# KiCad board ddr5-testboard.kicad_pcb (continued)
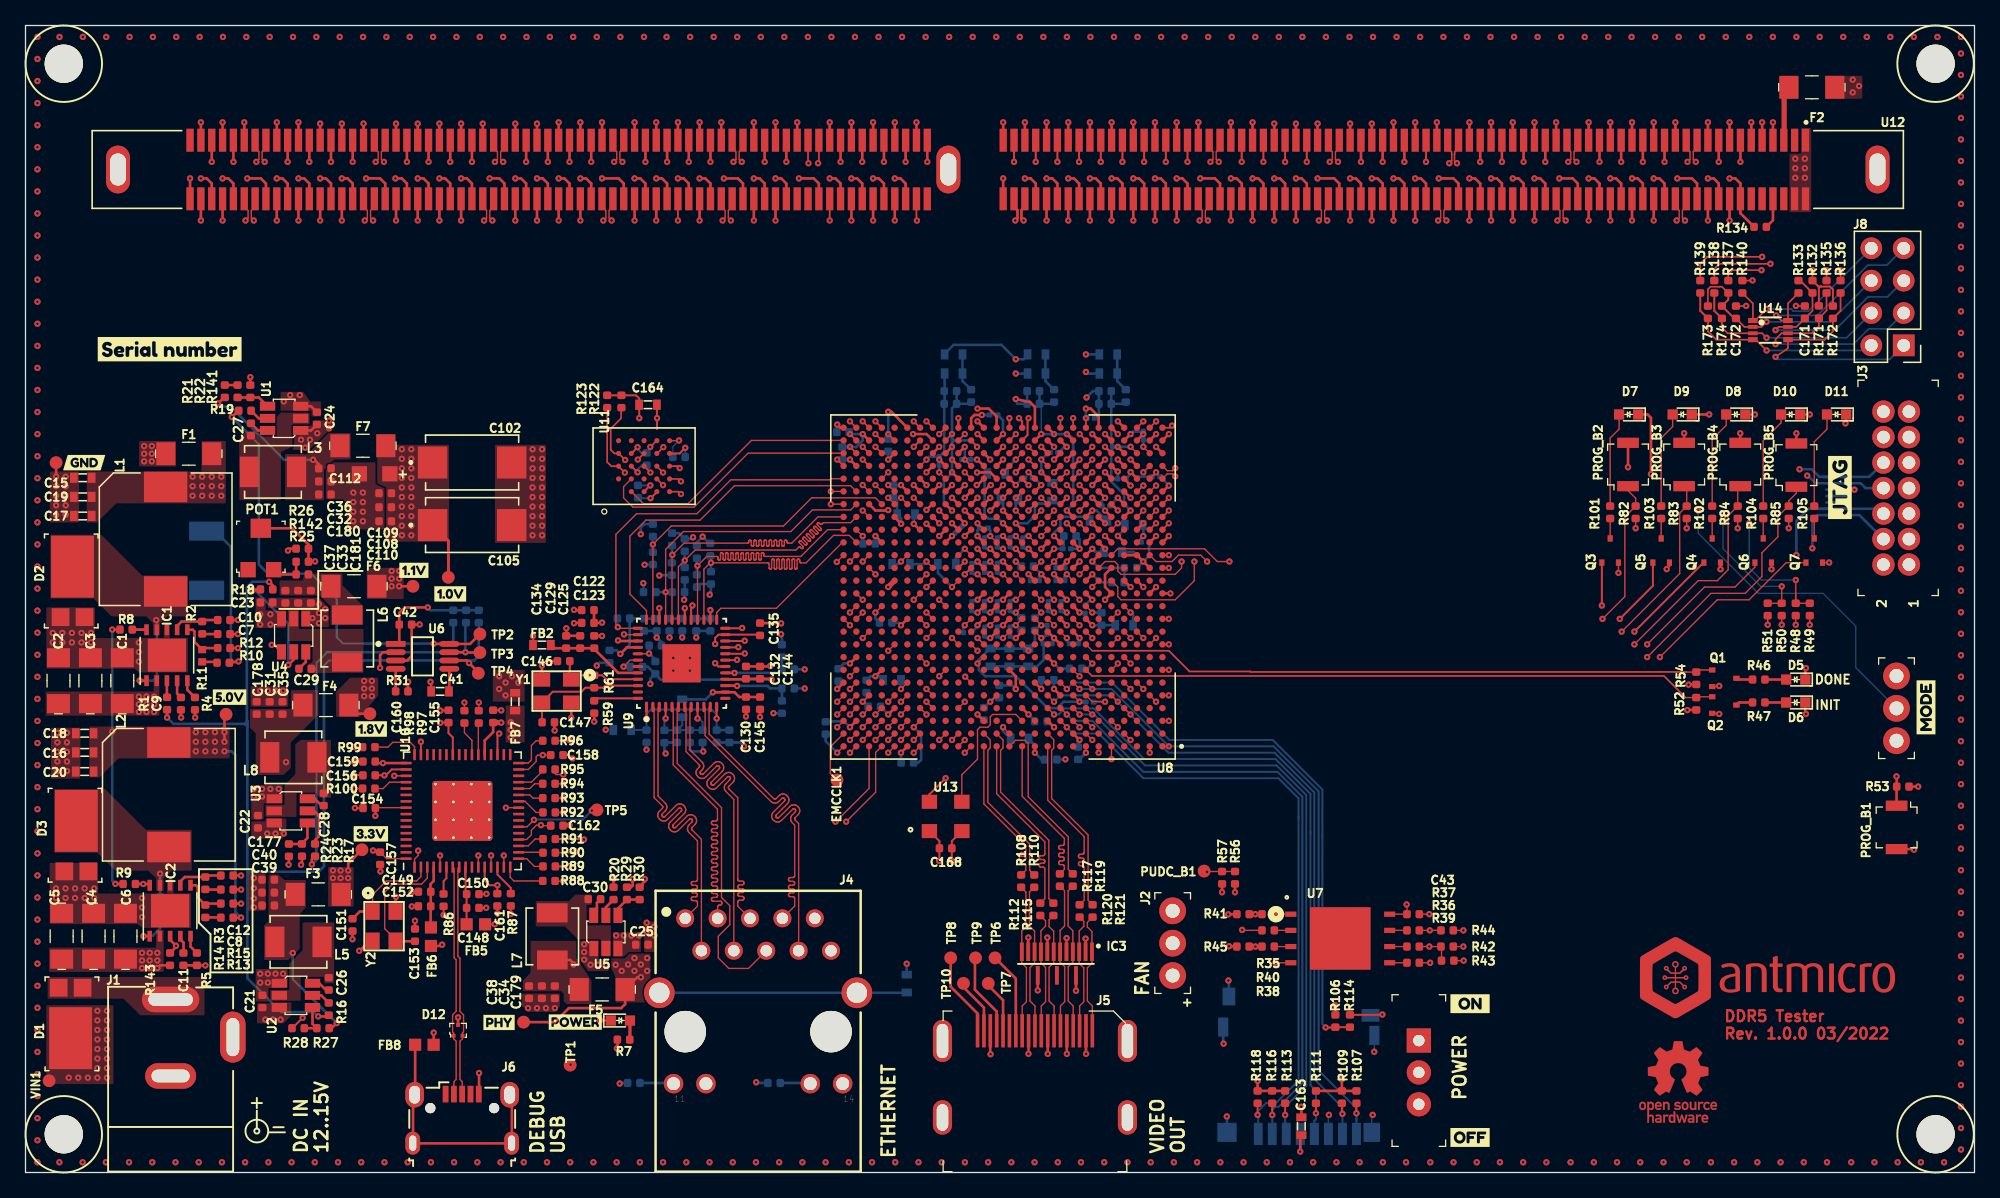
[diagram p0: board, top side]
## Routing (per net, layer and track width the routed paths; a pad name or vN(x,y) marks a point on that pad's centre or on a via; arc(x,y) is an arc through that point) (continued)
  Top w0.1: R110.2 78.71,22.01 78.71,19.34 79.11,18.94 IC3.10 79.11,16.44 78.75,16.08 78.75,13.46 79.14,13.07 J5.10
C_TMDS_D0_N: length 9.7
  Top w0.1: R112.2 79.97,19.75 79.97,19.33 79.61,18.97 IC3.9 79.61,16.45 79.97,16.09 79.97,13.4 79.64,13.07 J5.9
C_TMDS_D0_P: length 9.6
  Top w0.1: R115.2 80.25,19.83 80.25,19.3 80.61,18.93 IC3.7 80.61,16.46 80.25,16.1 80.25,13.46 80.64,13.07 J5.7
C_TMDS_D1_N: length 11.9
  Top w0.1: J5.6 81.14,13.07 81.47,13.4 81.47,16.15 81.11,16.52 IC3.6 81.11,18.99 81.46,19.34 81.46,22.1 R117.2
C_TMDS_D1_P: length 12
  Top w0.1: J5.4 82.14,13.07 81.75,13.46 81.75,16.14 82.11,16.5 IC3.4 82.11,18.97 81.74,19.35 81.74,22.1 R119.2
C_TMDS_D2_N: length 9.5
  Top w0.1: R120.2 82.97,19.71 82.97,19.32 82.61,18.96 IC3.3 82.61,16.41 82.97,16.05 82.97,13.4 82.64,13.07 J5.3
C_TMDS_D2_P: length 9.5
  Top w0.1: R121.2 83.25,19.63 83.25,19.27 83.61,18.9 IC3.1 83.61,16.42 83.25,16.06 83.25,13.46 83.64,13.07 J5.1
CA0_A: length 41.3
  Top w0.13: U8.V7 v1(82.64,50.94)
  Top w0.15: U12.66 v1(84.3,79.3)
  In9.Cu w0.13: v1(84.3,79.3) 84.3,78.8 84.3,78.77 84.29,78.74 84.27,78.72 84.25,78.7 84.23,78.68 84.2,78.67 84.17,78.67 84.08,78.67 84.05,78.67 84.02,78.66 84,78.64 83.98,78.62 83.96,78.6 83.95,78.57 83.95,78.54 83.95,78.51 83.96,78.48 83.98,78.46 84,78.44 84.02,78.42 84.05,78.41 84.08,78.41 84.52,78.41 84.55,78.41 84.58,78.4 84.6,78.38 84.62,78.36 84.64,78.34 84.65,78.31 84.65,78.28 84.65,78.25 84.64,78.22 84.62,78.2 84.6,78.18 84.58,78.16 84.55,78.15 84.52,78.15 84.08,78.15 84.05,78.15 84.02,78.14 84,78.12 83.98,78.1 83.96,78.08 83.95,78.05 83.95,78.02 83.95,77.99 83.96,77.96 83.98,77.94 84,77.92 84.02,77.9 84.05,77.89 84.08,77.89 84.52,77.89 84.55,77.89 84.58,77.88 84.6,77.86 84.62,77.84 84.64,77.82 84.65,77.79 84.65,77.76 84.65,77.73 84.64,77.7 84.62,77.68 84.6,77.66 84.58,77.64 84.55,77.63 84.52,77.63 84.08,77.63 84.05,77.63 84.02,77.62 84,77.6 83.98,77.58 83.96,77.56 83.95,77.53 83.95,77.5 83.95,77.47 83.96,77.44 83.98,77.42 84,77.4 84.02,77.38 84.05,77.37 84.08,77.37 84.52,77.37 84.55,77.37 84.58,77.36 84.6,77.34 84.62,77.32 84.64,77.3 84.65,77.27 84.65,77.24 84.65,77.21 84.64,77.18 84.62,77.16 84.6,77.14 84.58,77.12 84.55,77.11 84.52,77.11 84.08,77.11 84.05,77.11 84.02,77.1 84,77.08 83.98,77.06 83.96,77.04 83.95,77.01 83.95,76.98 83.95,76.95 83.96,76.92 83.98,76.9 84,76.88 84.02,76.86 84.05,76.85 84.08,76.85 84.52,76.85 84.55,76.85 84.58,76.84 84.6,76.82 84.62,76.8 84.64,76.78 84.65,76.75 84.65,76.72 84.65,76.69 84.64,76.66 84.62,76.64 84.6,76.62 84.58,76.6 84.55,76.59 84.52,76.59 84.08,76.59 84.05,76.59 84.02,76.58 84,76.56 83.98,76.54 83.96,76.52 83.95,76.49 83.95,76.46 83.95,76.43 83.96,76.4 83.98,76.38 84,76.36 84.02,76.34 84.05,76.33 84.08,76.33 84.52,76.33 84.55,76.33 84.58,76.32 84.6,76.3 84.62,76.28 84.64,76.26 84.65,76.23 84.65,76.2 84.65,76.17 84.64,76.14 84.62,76.12 84.6,76.1 84.58,76.08 84.55,76.07 84.52,76.07 84.08,76.07 84.05,76.07 84.02,76.06 84,76.04 83.98,76.02 83.96,76 83.95,75.97 83.95,75.94 83.95,75.91 83.96,75.88 83.98,75.86 84,75.84 84.02,75.82 84.05,75.81 84.08,75.81 84.52,75.81 84.55,75.81 84.58,75.8 84.6,75.78 84.62,75.76 84.64,75.74 84.65,75.71 84.65,75.68 84.65,75.65 84.64,75.62 84.62,75.6 84.6,75.58 84.58,75.56 84.55,75.55 84.52,75.55 84.08,75.55 84.05,75.55 84.02,75.54 84,75.52 83.98,75.5 83.96,75.48 83.95,75.45 83.95,75.42 83.95,75.39 83.96,75.36 83.98,75.34 84,75.32 84.02,75.3 84.05,75.29 84.08,75.29 84.52,75.29 84.55,75.29 84.58,75.28 84.6,75.26 84.62,75.24 84.64,75.22 84.65,75.19 84.65,75.16 84.65,75.13 84.64,75.1 84.62,75.08 84.6,75.06 84.58,75.04 84.55,75.03 84.52,75.03 84.08,75.03 84.05,75.03 84.02,75.02 84,75 83.98,74.98 83.96,74.96 83.95,74.93 83.95,74.9 83.95,74.87 83.96,74.84 83.98,74.82 84,74.8 84.02,74.78 84.05,74.77 84.08,74.77 84.52,74.77 84.55,74.77 84.58,74.76 84.6,74.74 84.62,74.72 84.64,74.7 84.65,74.67 84.65,74.64 84.65,74.61 84.64,74.58 84.62,74.56 84.6,74.54 84.58,74.52 84.55,74.51 84.52,74.51 84.43,74.51 84.4,74.51 84.37,74.5 84.35,74.48 84.33,74.46 84.31,74.44 84.3,74.41 84.3,74.38 84.3,58.6 84.14,58.44 84.14,51.44 83.64,50.94 v1(82.64,50.94)
CA0_B: length 41.4
  Top w0.13: U8.AF8 v4(82.14,59.19)
  Top w0.2: U12.76 v4(70.7,79.3)
  In2.Cu w0.127: v4(82.14,59.19) 82.14,67.61 76.06,73.69 73.2,73.69 73.17,73.69 73.14,73.7 73.12,73.72 73.1,73.74 73.08,73.76 73.07,73.79 73.07,73.82 73.07,73.87 73.07,73.9 73.06,73.92 73.04,73.95 73.02,73.97 73,73.98 72.97,73.99 72.94,74 72.92,73.99 72.89,73.98 72.86,73.97 72.84,73.95 72.83,73.92 72.82,73.9 72.82,73.87 72.82,73.82 72.81,73.79 72.8,73.76 72.79,73.74 72.77,73.72 72.75,73.7 72.72,73.69 72.69,73.69 71.39,73.69 70.7,74.38 70.7,74.58 70.7,74.61 70.71,74.64 70.73,74.66 70.75,74.68 70.77,74.7 70.8,74.71 70.83,74.71 70.97,74.71 71,74.71 71.03,74.72 71.05,74.74 71.07,74.76 71.09,74.78 71.1,74.81 71.1,74.84 71.1,74.86 71.09,74.89 71.07,74.92 71.05,74.94 71.03,74.95 71,74.96 70.97,74.96 70.43,74.96 70.4,74.97 70.37,74.98 70.35,74.99 70.33,75.01 70.31,75.03 70.3,75.06 70.3,75.09 70.3,75.12 70.31,75.15 70.33,75.17 70.35,75.19 70.37,75.2 70.4,75.21 70.43,75.22 70.97,75.22 71,75.22 71.03,75.23 71.05,75.24 71.07,75.26 71.09,75.29 71.1,75.32 71.1,75.34 71.1,75.37 71.09,75.4 71.07,75.42 71.05,75.44 71.03,75.46 71,75.47 70.97,75.47 70.43,75.47 70.4,75.47 70.37,75.48 70.35,75.5 70.33,75.52 70.31,75.54 70.3,75.57 70.3,75.6 70.3,75.63 70.31,75.65 70.33,75.68 70.35,75.7 70.37,75.71 70.4,75.72 70.43,75.72 70.97,75.72 71,75.73 71.03,75.74 71.05,75.75 71.07,75.77 71.09,75.8 71.1,75.82 71.1,75.85 71.1,75.88 71.09,75.91 71.07,75.93 71.05,75.95 71.03,75.97 71,75.98 70.97,75.98 70.43,75.98 70.4,75.98 70.37,75.99 70.35,76.01 70.33,76.03 70.31,76.05 70.3,76.08 70.3,76.11 70.3,76.13 70.31,76.16 70.33,76.19 70.35,76.21 70.37,76.22 70.4,76.23 70.43,76.23 70.97,76.23 71,76.24 71.03,76.25 71.05,76.26 71.07,76.28 71.09,76.3 71.1,76.33 71.1,76.36 71.1,76.39 71.09,76.42 71.07,76.44 71.05,76.46 71.03,76.47 71,76.48 70.97,76.49 70.43,76.49 70.4,76.49 70.37,76.5 70.35,76.51 70.33,76.53 70.31,76.56 70.3,76.59 70.3,76.61 70.3,76.64 70.31,76.67 70.33,76.69 70.35,76.71 70.37,76.73 70.4,76.74 70.43,76.74 70.97,76.74 71,76.74 71.03,76.75 71.05,76.77 71.07,76.79 71.09,76.81 71.1,76.84 71.1,76.87 71.1,76.9 71.09,76.92 71.07,76.95 71.05,76.97 71.03,76.98 71,76.99 70.97,77 70.43,77 70.4,77 70.37,77.01 70.35,77.02 70.33,77.04 70.31,77.07 70.3,77.09 70.3,77.12 70.3,77.15 70.31,77.18 70.33,77.2 70.35,77.22 70.37,77.24 70.4,77.25 70.43,77.25 70.97,77.25 71,77.25 71.03,77.26 71.05,77.28 71.07,77.3 71.09,77.32 71.1,77.35 71.1,77.38 71.1,77.4 71.09,77.43 71.07,77.46 71.05,77.48 71.03,77.49 71,77.5 70.97,77.5 70.43,77.5 70.4,77.51 70.37,77.52 70.35,77.53 70.33,77.55 70.31,77.57 70.3,77.6 70.3,77.63 70.3,77.66 70.31,77.69 70.33,77.71 70.35,77.73 70.37,77.74 70.4,77.75 70.43,77.76 70.97,77.76 71,77.76 71.03,77.77 71.05,77.78 71.07,77.8 71.09,77.83 71.1,77.86 71.1,77.88 71.1,77.91 71.09,77.94 71.07,77.96 71.05,77.98 71.03,78 71,78.01 70.97,78.01 70.43,78.01 70.4,78.01 70.37,78.02 70.35,78.04 70.33,78.06 70.31,78.08 70.3,78.11 70.3,78.14 70.3,78.17 70.31,78.19 70.33,78.22 70.35,78.24 70.37,78.25 70.4,78.26 70.43,78.27 70.97,78.27 71,78.27 71.03,78.28 71.05,78.29 71.07,78.31 71.09,78.34 71.1,78.36 71.1,78.39 71.1,78.42 71.09,78.45 71.07,78.47 71.05,78.49 71.03,78.51 71,78.52 70.97,78.52 70.43,78.52 70.4,78.52 70.37,78.53 70.35,78.55 70.33,78.57 70.31,78.59 70.3,78.62 70.3,78.65 70.3,78.67 70.31,78.7 70.33,78.73 70.35,78.75 70.37,78.76 70.4,78.77 70.43,78.77 70.57,78.77 70.6,78.78 70.63,78.79 70.65,78.8 70.67,78.82 70.69,78.84 70.7,78.87 70.7,78.9 v4(70.7,79.3)
CA1_A: length 41.4
  Top w0.13: U8.Y7 v1(82.64,51.94)
  Top w0.2: U12.211 v1(83.45,74.7)
  In7.Cu w0.13: v1(83.45,74.7) 83.64,74.51 83.64,74.34 83.63,74.31 83.62,74.28 83.61,74.26 83.59,74.23 83.56,74.22 83.54,74.21 83.51,74.21 83.37,74.21 83.34,74.2 83.31,74.19 83.29,74.18 83.26,74.16 83.25,74.13 83.24,74.11 83.24,74.08 83.24,74.05 83.25,74.02 83.26,74 83.29,73.97 83.31,73.96 83.34,73.95 83.37,73.95 83.91,73.95 83.94,73.94 83.96,73.93 83.99,73.92 84.01,73.9 84.02,73.87 84.03,73.85 84.04,73.82 84.03,73.79 84.02,73.76 84.01,73.74 83.99,73.71 83.96,73.7 83.94,73.69 83.91,73.69 83.37,73.69 83.34,73.68 83.31,73.67 83.29,73.66 83.26,73.64 83.25,73.61 83.24,73.59 83.24,73.56 83.24,73.53 83.25,73.5 83.26,73.48 83.29,73.45 83.31,73.44 83.34,73.43 83.37,73.43 83.91,73.43 83.94,73.42 83.96,73.41 83.99,73.4 84.01,73.38 84.02,73.35 84.03,73.33 84.04,73.3 84.03,73.27 84.02,73.24 84.01,73.22 83.99,73.19 83.96,73.18 83.94,73.17 83.91,73.17 83.37,73.17 83.34,73.16 83.31,73.15 83.29,73.14 83.26,73.12 83.25,73.09 83.24,73.07 83.24,73.04 83.24,73.01 83.25,72.98 83.26,72.96 83.29,72.93 83.31,72.92 83.34,72.91 83.37,72.91 83.91,72.91 83.94,72.9 83.96,72.89 83.99,72.88 84.01,72.86 84.02,72.83 84.03,72.81 84.04,72.78 84.03,72.75 84.02,72.72 84.01,72.7 83.99,72.67 83.96,72.66 83.94,72.65 83.91,72.65 83.37,72.65 83.34,72.64 83.31,72.63 83.29,72.62 83.26,72.6 83.25,72.57 83.24,72.55 83.24,72.52 83.24,72.49 83.25,72.46 83.26,72.44 83.29,72.41 83.31,72.4 83.34,72.39 83.37,72.39 83.91,72.39 83.94,72.38 83.96,72.37 83.99,72.36 84.01,72.34 84.02,72.31 84.03,72.29 84.04,72.26 84.03,72.23 84.02,72.2 84.01,72.18 83.99,72.15 83.96,72.14 83.94,72.13 83.91,72.13 83.37,72.13 83.34,72.12 83.31,72.11 83.29,72.1 83.26,72.08 83.25,72.05 83.24,72.03 83.24,72 83.24,71.97 83.25,71.94 83.26,71.92 83.29,71.89 83.31,71.88 83.34,71.87 83.37,71.87 83.91,71.87 83.94,71.86 83.96,71.85 83.99,71.84 84.01,71.82 84.02,71.79 84.03,71.77 84.04,71.74 84.03,71.71 84.02,71.68 84.01,71.66 83.99,71.63 83.96,71.62 83.94,71.61 83.91,71.61 83.37,71.61 83.34,71.6 83.31,71.59 83.29,71.58 83.26,71.56 83.25,71.53 83.24,71.51 83.24,71.48 83.24,71.45 83.25,71.42 83.26,71.4 83.29,71.37 83.31,71.36 83.34,71.35 83.37,71.35 83.91,71.35 83.94,71.34 83.96,71.33 83.99,71.32 84.01,71.3 84.02,71.27 84.03,71.25 84.04,71.22 84.03,71.19 84.02,71.16 84.01,71.14 83.99,71.11 83.96,71.1 83.94,71.09 83.91,71.09 83.37,71.09 83.34,71.08 83.31,71.07 83.29,71.06 83.26,71.04 83.25,71.01 83.24,70.99 83.24,70.96 83.24,70.93 83.25,70.9 83.26,70.88 83.29,70.85 83.31,70.84 83.34,70.83 83.37,70.83 83.91,70.83 83.94,70.82 83.96,70.81 83.99,70.8 84.01,70.78 84.02,70.75 84.03,70.73 84.04,70.7 84.03,70.67 84.02,70.64 84.01,70.62 83.99,70.59 83.96,70.58 83.94,70.57 83.91,70.57 83.37,70.57 83.34,70.56 83.31,70.55 83.29,70.54 83.26,70.52 83.25,70.49 83.24,70.47 83.24,70.44 83.24,70.41 83.25,70.38 83.26,70.36 83.29,70.33 83.31,70.32 83.34,70.31 83.37,70.31 83.91,70.31 83.94,70.3 83.96,70.29 83.99,70.28 84.01,70.26 84.02,70.23 84.03,70.21 84.04,70.18 84.03,70.15 84.02,70.12 84.01,70.1 83.99,70.07 83.96,70.06 83.94,70.05 83.91,70.05 83.37,70.05 83.34,70.04 83.31,70.03 83.29,70.02 83.26,70 83.25,69.97 83.24,69.95 83.24,69.92 83.24,69.89 83.25,69.86 83.26,69.84 83.29,69.81 83.31,69.8 83.34,69.79 83.37,69.79 83.91,69.79 83.94,69.78 83.96,69.77 83.99,69.76 84.01,69.74 84.02,69.71 84.03,69.69 84.04,69.66 84.03,69.63 84.02,69.6 84.01,69.58 83.99,69.55 83.96,69.54 83.94,69.53 83.91,69.53 83.37,69.53 83.34,69.52 83.31,69.51 83.29,69.5 83.26,69.48 83.25,69.45 83.24,69.43 83.24,69.4 83.24,69.37 83.25,69.34 83.26,69.32 83.29,69.29 83.31,69.28 83.34,69.27 83.37,69.27 83.91,69.27 83.94,69.26 83.96,69.25 83.99,69.24 84.01,69.22 84.02,69.19 84.03,69.17 84.04,69.14 84.03,69.11 84.02,69.08 84.01,69.06 83.99,69.03 83.96,69.02 83.94,69.01 83.91,69.01 83.37,69.01 83.34,69 83.31,68.99 83.29,68.98 83.26,68.96 83.25,68.93 83.24,68.91 83.24,68.88 83.24,68.85 83.25,68.82 83.26,68.8 83.29,68.77 83.31,68.76 83.34,68.75 83.37,68.75 83.91,68.75 83.94,68.74 83.96,68.73 83.99,68.72 84.01,68.7 84.02,68.67 84.03,68.65 84.04,68.62 84.03,68.59 84.02,68.56 84.01,68.54 83.99,68.51 83.96,68.5 83.94,68.49 83.91,68.49 83.37,68.49 83.34,68.48 83.31,68.47 83.29,68.46 83.26,68.44 83.25,68.41 83.24,68.39 83.24,68.36 83.24,68.33 83.25,68.3 83.26,68.28 83.29,68.25 83.31,68.24 83.34,68.23 83.37,68.23 83.51,68.23 83.54,68.22 83.56,68.21 83.59,68.2 83.61,68.18 83.62,68.15 83.63,68.13 83.64,68.1 83.64,59.19 83.14,58.69 U8.Y7 v1(82.64,51.94)
CA1_B: length 41.4
  Top w0.13: v4(69.89,74.69) 69.85,74.73 U12.221
  Top w0.2: U8.AE8 v4(81.64,57.94)
  In2.Cu w0.127: v4(81.64,57.94) 81.64,67.36 79.15,69.85 79.14,69.87 79.12,69.89 79.12,69.92 79.12,69.95 79.12,69.98 79.14,70 79.15,70.03 79.18,70.05 79.2,70.08 79.21,70.1 79.22,70.13 79.22,70.16 79.21,70.19 79.2,70.21 79.18,70.23 79.16,70.25 79.13,70.26 79.1,70.27 79.08,70.27 79.05,70.26 79.02,70.25 79,70.23 78.77,70 78.74,69.98 78.72,69.97 78.69,69.96 78.66,69.96 78.64,69.97 78.61,69.98 78.59,70 78.57,70.02 78.56,70.05 78.55,70.07 78.55,70.1 78.56,70.13 78.57,70.16 78.59,70.18 78.82,70.41 78.84,70.43 78.85,70.46 78.86,70.49 78.86,70.52 78.85,70.54 78.84,70.57 78.82,70.59 78.8,70.61 78.77,70.62 78.75,70.63 78.72,70.63 78.69,70.62 78.66,70.61 78.64,70.59 78.41,70.36 78.39,70.34 78.36,70.33 78.33,70.32 78.3,70.32 78.28,70.33 78.25,70.34 78.23,70.36 78.21,70.38 78.2,70.41 78.19,70.43 78.19,70.46 78.2,70.49 78.21,70.52 78.23,70.54 78.46,70.77 78.48,70.79 78.49,70.82 78.5,70.85 78.5,70.88 78.49,70.9 78.48,70.93 78.46,70.95 78.44,70.97 78.41,70.98 78.39,70.99 78.36,70.99 78.33,70.98 78.3,70.97 78.28,70.95 78.05,70.72 78.03,70.7 78,70.69 77.97,70.68 77.94,70.68 77.92,70.69 77.89,70.7 77.87,70.72 77.85,70.74 77.84,70.77 77.83,70.79 77.83,70.82 77.84,70.85 77.85,70.88 77.87,70.9 78.1,71.13 78.12,71.15 78.13,71.18 78.14,71.21 78.14,71.23 78.13,71.26 78.12,71.29 78.1,71.31 78.08,71.33 78.05,71.34 78.03,71.35 78,71.35 77.97,71.34 77.95,71.33 77.92,71.31 77.69,71.08 77.67,71.06 77.64,71.05 77.61,71.04 77.59,71.04 77.56,71.05 77.53,71.06 77.51,71.08 77.49,71.1 77.48,71.12 77.47,71.15 77.47,71.18 77.48,71.21 77.49,71.23 77.51,71.26 77.74,71.49 77.76,71.51 77.77,71.54 77.78,71.57 77.78,71.59 77.77,71.62 77.76,71.65 77.74,71.67 77.72,71.69 77.7,71.7 77.67,71.71 77.64,71.71 77.61,71.7 77.59,71.69 77.56,71.67 77.33,71.44 77.31,71.42 77.28,71.41 77.25,71.4 77.23,71.4 77.2,71.41 77.17,71.42 77.15,71.44 77.13,71.46 77.12,71.48 77.11,71.51 77.11,71.54 77.12,71.57 77.13,71.59 77.15,71.62 77.38,71.85 77.4,71.87 77.41,71.9 77.42,71.92 77.42,71.95 77.41,71.98 77.4,72.01 77.38,72.03 77.36,72.05 77.34,72.06 77.31,72.07 77.28,72.07 77.25,72.06 77.23,72.05 77.2,72.03 76.97,71.8 76.95,71.78 76.92,71.77 76.9,71.76 76.87,71.76 76.84,71.77 76.81,71.78 76.79,71.8 76.77,71.82 76.76,71.84 76.76,71.87 76.76,71.9 76.76,71.93 76.77,71.95 76.79,71.97 77.03,72.21 77.04,72.23 77.06,72.26 77.06,72.28 77.06,72.31 77.06,72.34 77.04,72.37 77.03,72.39 77,72.41 76.98,72.42 76.95,72.42 76.92,72.42 76.89,72.42 76.87,72.41 76.85,72.39 76.61,72.15 76.59,72.14 76.56,72.12 76.54,72.12 76.51,72.12 76.48,72.12 76.45,72.14 76.43,72.15 76.41,72.18 76.4,72.2 76.4,72.23 76.4,72.26 76.4,72.29 76.41,72.31 76.43,72.33 76.67,72.57 76.68,72.59 76.7,72.62 76.7,72.64 76.7,72.67 76.7,72.7 76.68,72.73 76.67,72.75 76.64,72.77 76.62,72.78 76.59,72.78 76.56,72.78 76.53,72.78 76.51,72.77 76.49,72.75 76.25,72.51 76.23,72.5 76.2,72.48 76.18,72.48 76.15,72.48 76.12,72.48 76.1,72.5 76.07,72.51 76.06,72.54 76.04,72.56 76.04,72.59 76.04,72.62 76.04,72.65 76.06,72.67 76.07,72.69 76.1,72.72 76.12,72.74 76.13,72.77 76.14,72.8 76.14,72.82 76.13,72.85 76.12,72.88 76.1,72.9 75.81,73.19 75.28,73.19 75.25,73.19 75.22,73.18 75.2,73.16 75.18,73.14 75.17,73.12 75.16,73.09 75.15,73.04 75.14,73.01 75.13,72.99 75.11,72.97 75.08,72.95 75.06,72.94 75.03,72.94 75.02,72.94 75,72.94 74.97,72.95 74.95,72.97 74.93,72.99 74.91,73.01 74.9,73.04 74.9,73.06 74.9,73.31 74.9,73.34 74.89,73.37 74.87,73.39 74.85,73.41 74.83,73.43 74.8,73.44 74.77,73.44 74.77,73.44 74.74,73.44 74.72,73.43 74.69,73.41 74.67,73.39 74.66,73.37 74.65,73.34 74.65,73.31 74.65,73.06 74.64,73.04 74.63,73.01 74.62,72.99 74.6,72.97 74.57,72.95 74.55,72.94 74.52,72.94 74.52,72.94 74.49,72.94 74.46,72.95 74.44,72.97 74.42,72.99 74.4,73.01 74.39,73.04 74.39,73.06 74.39,73.31 74.39,73.34 74.38,73.37 74.36,73.39 74.34,73.41 74.32,73.43 74.29,73.44 74.27,73.44 74.26,73.44 74.23,73.44 74.21,73.43 74.18,73.41 74.16,73.39 74.15,73.37 74.14,73.34 74.14,73.31 74.14,73.06 74.13,73.04 74.12,73.01 74.11,72.99 74.09,72.97 74.07,72.95 74.04,72.94 74.01,72.94 74.01,72.94 73.98,72.94 73.95,72.95 73.93,72.97 73.91,72.99 73.9,73.01 73.89,73.04 73.88,73.06 73.88,73.31 73.88,73.34 73.87,73.37 73.86,73.39 73.84,73.41 73.81,73.43 73.79,73.44 73.76,73.44 73.75,73.44 73.73,73.44 73.7,73.43 73.68,73.41 73.66,73.39 73.64,73.37 73.63,73.34 73.63,73.31 73.63,73.06 73.63,73.04 73.62,73.01 73.6,72.99 73.58,72.97 73.56,72.95 73.53,72.94 73.5,72.94 73.5,72.94 73.47,72.94 73.45,72.95 73.42,72.97 73.4,72.99 73.39,73.01 73.38,73.04 73.38,73.06 73.38,73.31 73.37,73.34 73.36,73.37 73.35,73.39 73.33,73.41 73.3,73.43 73.28,73.44 73.25,73.44 73.25,73.44 73.22,73.44 73.19,73.43 73.17,73.41 73.15,73.39 73.13,73.37 73.12,73.34 73.12,73.31 73.12,73.06 73.12,73.04 73.11,73.01 73.09,72.99 73.07,72.97 73.05,72.95 73.02,72.94 73,72.94 72.99,72.94 72.96,72.94 72.94,72.95 72.91,72.97 72.89,72.99 72.88,73.01 72.87,73.04 72.87,73.06 72.87,73.31 72.86,73.34 72.85,73.37 72.84,73.39 72.82,73.41 72.8,73.43 72.77,73.44 72.74,73.44 72.74,73.44 72.71,73.44 72.68,73.43 72.66,73.41 72.64,73.39 72.63,73.37 72.62,73.34 72.61,73.31 72.61,73.06 72.61,73.04 72.6,73.01 72.59,72.99 72.57,72.97 72.54,72.95 72.52,72.94 72.49,72.94 72.48,72.94 72.46,72.94 72.43,72.95 72.41,72.97 72.39,72.99 72.37,73.01 72.36,73.04 72.36,73.06 72.36,73.31 72.36,73.34 72.35,73.37 72.33,73.39 72.31,73.41 72.29,73.43 72.26,73.44 72.23,73.44 72.23,73.44 72.2,73.44 72.18,73.43 72.15,73.41 72.13,73.39 72.12,73.37 72.11,73.34 72.11,73.31 72.11,73.06 72.1,73.04 72.09,73.01 72.08,72.99 72.06,72.97 72.03,72.95 72.01,72.94 71.98,72.94 71.98,72.94 71.95,72.94 71.92,72.95 71.9,72.97 71.88,72.99 71.86,73.01 71.85,73.04 71.85,73.06 71.85,73.31 71.85,73.34 71.84,73.37 71.82,73.39 71.8,73.41 71.78,73.43 71.75,73.44 71.73,73.44 71.72,73.44 71.69,73.44 71.67,73.43 71.64,73.41 71.62,73.39 71.61,73.37 71.6,73.34 71.6,73.31 71.6,73.06 71.59,73.04 71.58,73.01 71.57,72.99 71.55,72.97 71.53,72.95 71.5,72.94 71.47,72.94 71.47,72.94 71.44,72.94 71.41,72.95 71.39,72.97 71.37,72.99 71.36,73.01 71.35,73.04 71.34,73.06 71.34,73.36 71.34,73.39 71.33,73.42 71.32,73.44 71.3,73.46 71.27,73.48 71.24,73.49 71.22,73.49 71.19,73.49 71.16,73.48 71.14,73.46 71.12,73.44 71.1,73.42 71.09,73.39 71.09,73.36 71.09,73.06 71.09,73.04 71.08,73.01 71.06,72.99 71.04,72.97 71.02,72.95 70.99,72.94 70.96,72.94 70.96,72.94 70.93,72.94 70.91,72.95 70.88,72.97 70.86,72.99 70.85,73.01 70.84,73.04 70.83,73.09 70.82,73.12 70.81,73.14 70.79,73.16 70.76,73.18 70.74,73.19 70.71,73.19 70.39,73.19 69.89,73.69 v4(69.89,74.69)
CA2_A: length 41.4
  Top w0.13: U8.Y8 v1(82.64,52.94)
  Top w0.15: U12.68 v1(82.6,79.3)
  In7.Cu w0.13: v1(82.64,52.94) 82.64,53.94 82.14,54.44 82.14,55.94 82.6,56.4 82.6,73.86 82.6,73.89 82.61,73.92 82.63,73.94 82.65,73.96 82.67,73.98 82.7,73.99 82.73,73.99 82.87,73.99 82.9,73.99 82.92,74 82.95,74.02 82.97,74.04 82.99,74.06 82.99,74.09 83,74.12 82.99,74.15 82.99,74.18 82.97,74.2 82.95,74.22 82.92,74.24 82.9,74.25 82.87,74.25 82.33,74.25 82.3,74.25 82.28,74.26 82.25,74.28 82.23,74.3 82.21,74.32 82.21,74.35 82.2,74.38 82.21,74.41 82.21,74.44 82.23,74.46 82.25,74.48 82.28,74.5 82.3,74.51 82.33,74.51 82.87,74.51 82.9,74.51 82.92,74.52 82.95,74.54 82.97,74.56 82.99,74.58 82.99,74.61 83,74.64 82.99,74.67 82.99,74.7 82.97,74.72 82.95,74.74 82.92,74.76 82.9,74.77 82.87,74.77 82.33,74.77 82.3,74.77 82.28,74.78 82.25,74.8 82.23,74.82 82.21,74.84 82.21,74.87 82.2,74.9 82.21,74.93 82.21,74.96 82.23,74.98 82.25,75 82.28,75.02 82.3,75.03 82.33,75.03 82.87,75.03 82.9,75.03 82.92,75.04 82.95,75.06 82.97,75.08 82.99,75.1 82.99,75.13 83,75.16 82.99,75.19 82.99,75.22 82.97,75.24 82.95,75.26 82.92,75.28 82.9,75.29 82.87,75.29 82.33,75.29 82.3,75.29 82.28,75.3 82.25,75.32 82.23,75.34 82.21,75.36 82.21,75.39 82.2,75.42 82.21,75.45 82.21,75.48 82.23,75.5 82.25,75.52 82.28,75.54 82.3,75.55 82.33,75.55 82.87,75.55 82.9,75.55 82.92,75.56 82.95,75.58 82.97,75.6 82.99,75.62 82.99,75.65 83,75.68 82.99,75.71 82.99,75.74 82.97,75.76 82.95,75.78 82.92,75.8 82.9,75.81 82.87,75.81 82.33,75.81 82.3,75.81 82.28,75.82 82.25,75.84 82.23,75.86 82.21,75.88 82.21,75.91 82.2,75.94 82.21,75.97 82.21,76 82.23,76.02 82.25,76.04 82.28,76.06 82.3,76.07 82.33,76.07 82.87,76.07 82.9,76.07 82.92,76.08 82.95,76.1 82.97,76.12 82.99,76.14 82.99,76.17 83,76.2 82.99,76.23 82.99,76.26 82.97,76.28 82.95,76.3 82.92,76.32 82.9,76.33 82.87,76.33 82.33,76.33 82.3,76.33 82.28,76.34 82.25,76.36 82.23,76.38 82.21,76.4 82.21,76.43 82.2,76.46 82.21,76.49 82.21,76.52 82.23,76.54 82.25,76.56 82.28,76.58 82.3,76.59 82.33,76.59 82.87,76.59 82.9,76.59 82.92,76.6 82.95,76.62 82.97,76.64 82.99,76.66 82.99,76.69 83,76.72 82.99,76.75 82.99,76.78 82.97,76.8 82.95,76.82 82.92,76.84 82.9,76.85 82.87,76.85 82.33,76.85 82.3,76.85 82.28,76.86 82.25,76.88 82.23,76.9 82.21,76.92 82.21,76.95 82.2,76.98 82.21,77.01 82.21,77.04 82.23,77.06 82.25,77.08 82.28,77.1 82.3,77.11 82.33,77.11 82.87,77.11 82.9,77.11 82.92,77.12 82.95,77.14 82.97,77.16 82.99,77.18 82.99,77.21 83,77.24 82.99,77.27 82.99,77.3 82.97,77.32 82.95,77.34 82.92,77.36 82.9,77.37 82.87,77.37 82.33,77.37 82.3,77.37 82.28,77.38 82.25,77.4 82.23,77.42 82.21,77.44 82.21,77.47 82.2,77.5 82.21,77.53 82.21,77.56 82.23,77.58 82.25,77.6 82.28,77.62 82.3,77.63 82.33,77.63 82.87,77.63 82.9,77.63 82.92,77.64 82.95,77.66 82.97,77.68 82.99,77.7 82.99,77.73 83,77.76 82.99,77.79 82.99,77.82 82.97,77.84 82.95,77.86 82.92,77.88 82.9,77.89 82.87,77.89 82.33,77.89 82.3,77.89 82.28,77.9 82.25,77.92 82.23,77.94 82.21,77.96 82.21,77.99 82.2,78.02 82.21,78.05 82.21,78.08 82.23,78.1 82.25,78.12 82.28,78.14 82.3,78.15 82.33,78.15 82.87,78.15 82.9,78.15 82.92,78.16 82.95,78.18 82.97,78.2 82.99,78.22 82.99,78.25 83,78.28 82.99,78.31 82.99,78.34 82.97,78.36 82.95,78.38 82.92,78.4 82.9,78.41 82.87,78.41 82.33,78.41 82.3,78.41 82.28,78.42 82.25,78.44 82.23,78.46 82.21,78.48 82.21,78.51 82.2,78.54 82.21,78.57 82.21,78.6 82.23,78.62 82.25,78.64 82.28,78.66 82.3,78.67 82.33,78.67 82.47,78.67 82.5,78.67 82.53,78.68 82.55,78.7 82.57,78.72 82.59,78.74 82.6,78.77 82.6,78.8 v1(82.6,79.3)
CA2_B: length 41.4
  Top w0.13: U8.AF9 v4(81.14,59.19)
  Top w0.2: U12.78 v4(69,79.3)
  In2.Cu w0.127: v4(81.14,59.19) 81.14,67.11 75.56,72.69 69.64,72.69 69,73.33 69,74.58 69,74.61 69.01,74.64 69.03,74.66 69.05,74.68 69.07,74.7 69.1,74.71 69.13,74.71 69.25,74.71 69.28,74.71 69.31,74.72 69.33,74.74 69.35,74.76 69.37,74.78 69.38,74.81 69.38,74.84 69.38,74.86 69.37,74.89 69.35,74.92 69.33,74.94 69.31,74.95 69.28,74.96 69.25,74.96 68.75,74.96 68.72,74.97 68.69,74.98 68.67,74.99 68.65,75.01 68.63,75.03 68.62,75.06 68.62,75.09 68.62,75.12 68.63,75.15 68.65,75.17 68.67,75.19 68.69,75.2 68.72,75.21 68.75,75.22 69.25,75.22 69.28,75.22 69.31,75.23 69.33,75.24 69.35,75.26 69.37,75.29 69.38,75.32 69.38,75.34 69.38,75.37 69.37,75.4 69.35,75.42 69.33,75.44 69.31,75.46 69.28,75.47 69.25,75.47 68.75,75.47 68.72,75.47 68.69,75.48 68.67,75.5 68.65,75.52 68.63,75.54 68.62,75.57 68.62,75.6 68.62,75.63 68.63,75.65 68.65,75.68 68.67,75.7 68.69,75.71 68.72,75.72 68.75,75.72 69.25,75.72 69.28,75.73 69.31,75.74 69.33,75.75 69.35,75.77 69.37,75.8 69.38,75.82 69.38,75.85 69.38,75.88 69.37,75.91 69.35,75.93 69.33,75.95 69.31,75.97 69.28,75.98 69.25,75.98 68.75,75.98 68.72,75.98 68.69,75.99 68.67,76.01 68.65,76.03 68.63,76.05 68.62,76.08 68.62,76.11 68.62,76.13 68.63,76.16 68.65,76.19 68.67,76.21 68.69,76.22 68.72,76.23 68.75,76.23 69.25,76.23 69.28,76.24 69.31,76.25 69.33,76.26 69.35,76.28 69.37,76.3 69.38,76.33 69.38,76.36 69.38,76.39 69.37,76.42 69.35,76.44 69.33,76.46 69.31,76.47 69.28,76.48 69.25,76.49 68.75,76.49 68.72,76.49 68.69,76.5 68.67,76.51 68.65,76.53 68.63,76.56 68.62,76.59 68.62,76.61 68.62,76.64 68.63,76.67 68.65,76.69 68.67,76.71 68.69,76.73 68.72,76.74 68.75,76.74 69.25,76.74 69.28,76.74 69.31,76.75 69.33,76.77 69.35,76.79 69.37,76.81 69.38,76.84 69.38,76.87 69.38,76.9 69.37,76.92 69.35,76.95 69.33,76.97 69.31,76.98 69.28,76.99 69.25,77 68.75,77 68.72,77 68.69,77.01 68.67,77.02 68.65,77.04 68.63,77.07 68.62,77.09 68.62,77.12 68.62,77.15 68.63,77.18 68.65,77.2 68.67,77.22 68.69,77.24 68.72,77.25 68.75,77.25 69.25,77.25 69.28,77.25 69.31,77.26 69.33,77.28 69.35,77.3 69.37,77.32 69.38,77.35 69.38,77.38 69.38,77.4 69.37,77.43 69.35,77.46 69.33,77.48 69.31,77.49 69.28,77.5 69.25,77.5 68.75,77.5 68.72,77.51 68.69,77.52 68.67,77.53 68.65,77.55 68.63,77.57 68.62,77.6 68.62,77.63 68.62,77.66 68.63,77.69 68.65,77.71 68.67,77.73 68.69,77.74 68.72,77.75 68.75,77.76 69.25,77.76 69.28,77.76 69.31,77.77 69.33,77.78 69.35,77.8 69.37,77.83 69.38,77.86 69.38,77.88 69.38,77.91 69.37,77.94 69.35,77.96 69.33,77.98 69.31,78 69.28,78.01 69.25,78.01 68.75,78.01 68.72,78.01 68.69,78.02 68.67,78.04 68.65,78.06 68.63,78.08 68.62,78.11 68.62,78.14 68.62,78.17 68.63,78.19 68.65,78.22 68.67,78.24 68.69,78.25 68.72,78.26 68.75,78.27 69.25,78.27 69.28,78.27 69.31,78.28 69.33,78.29 69.35,78.31 69.37,78.34 69.38,78.36 69.38,78.39 69.38,78.42 69.37,78.45 69.35,78.47 69.33,78.49 69.31,78.51 69.28,78.52 69.25,78.52 68.75,78.52 68.72,78.52 68.69,78.53 68.67,78.55 68.65,78.57 68.63,78.59 68.62,78.62 68.62,78.65 68.62,78.67 68.63,78.7 68.65,78.73 68.67,78.75 68.69,78.76 68.72,78.77 68.75,78.77 68.87,78.77 68.9,78.78 68.93,78.79 68.95,78.8 68.97,78.82 68.99,78.84 69,78.87 69,78.9 v4(69,79.3)
